# Altium PCB 8-8控制板.PcbDoc (part 3 of 5)
Units mm, origin at the board's own origin, x right, y up, seen from the top; angles counter-clockwise.
Board outline 201.71 x 160.33 mm, 2 copper layers (Top Layer, Bottom Layer); 240 components, 178 nets, 689 pads, 262 vias.
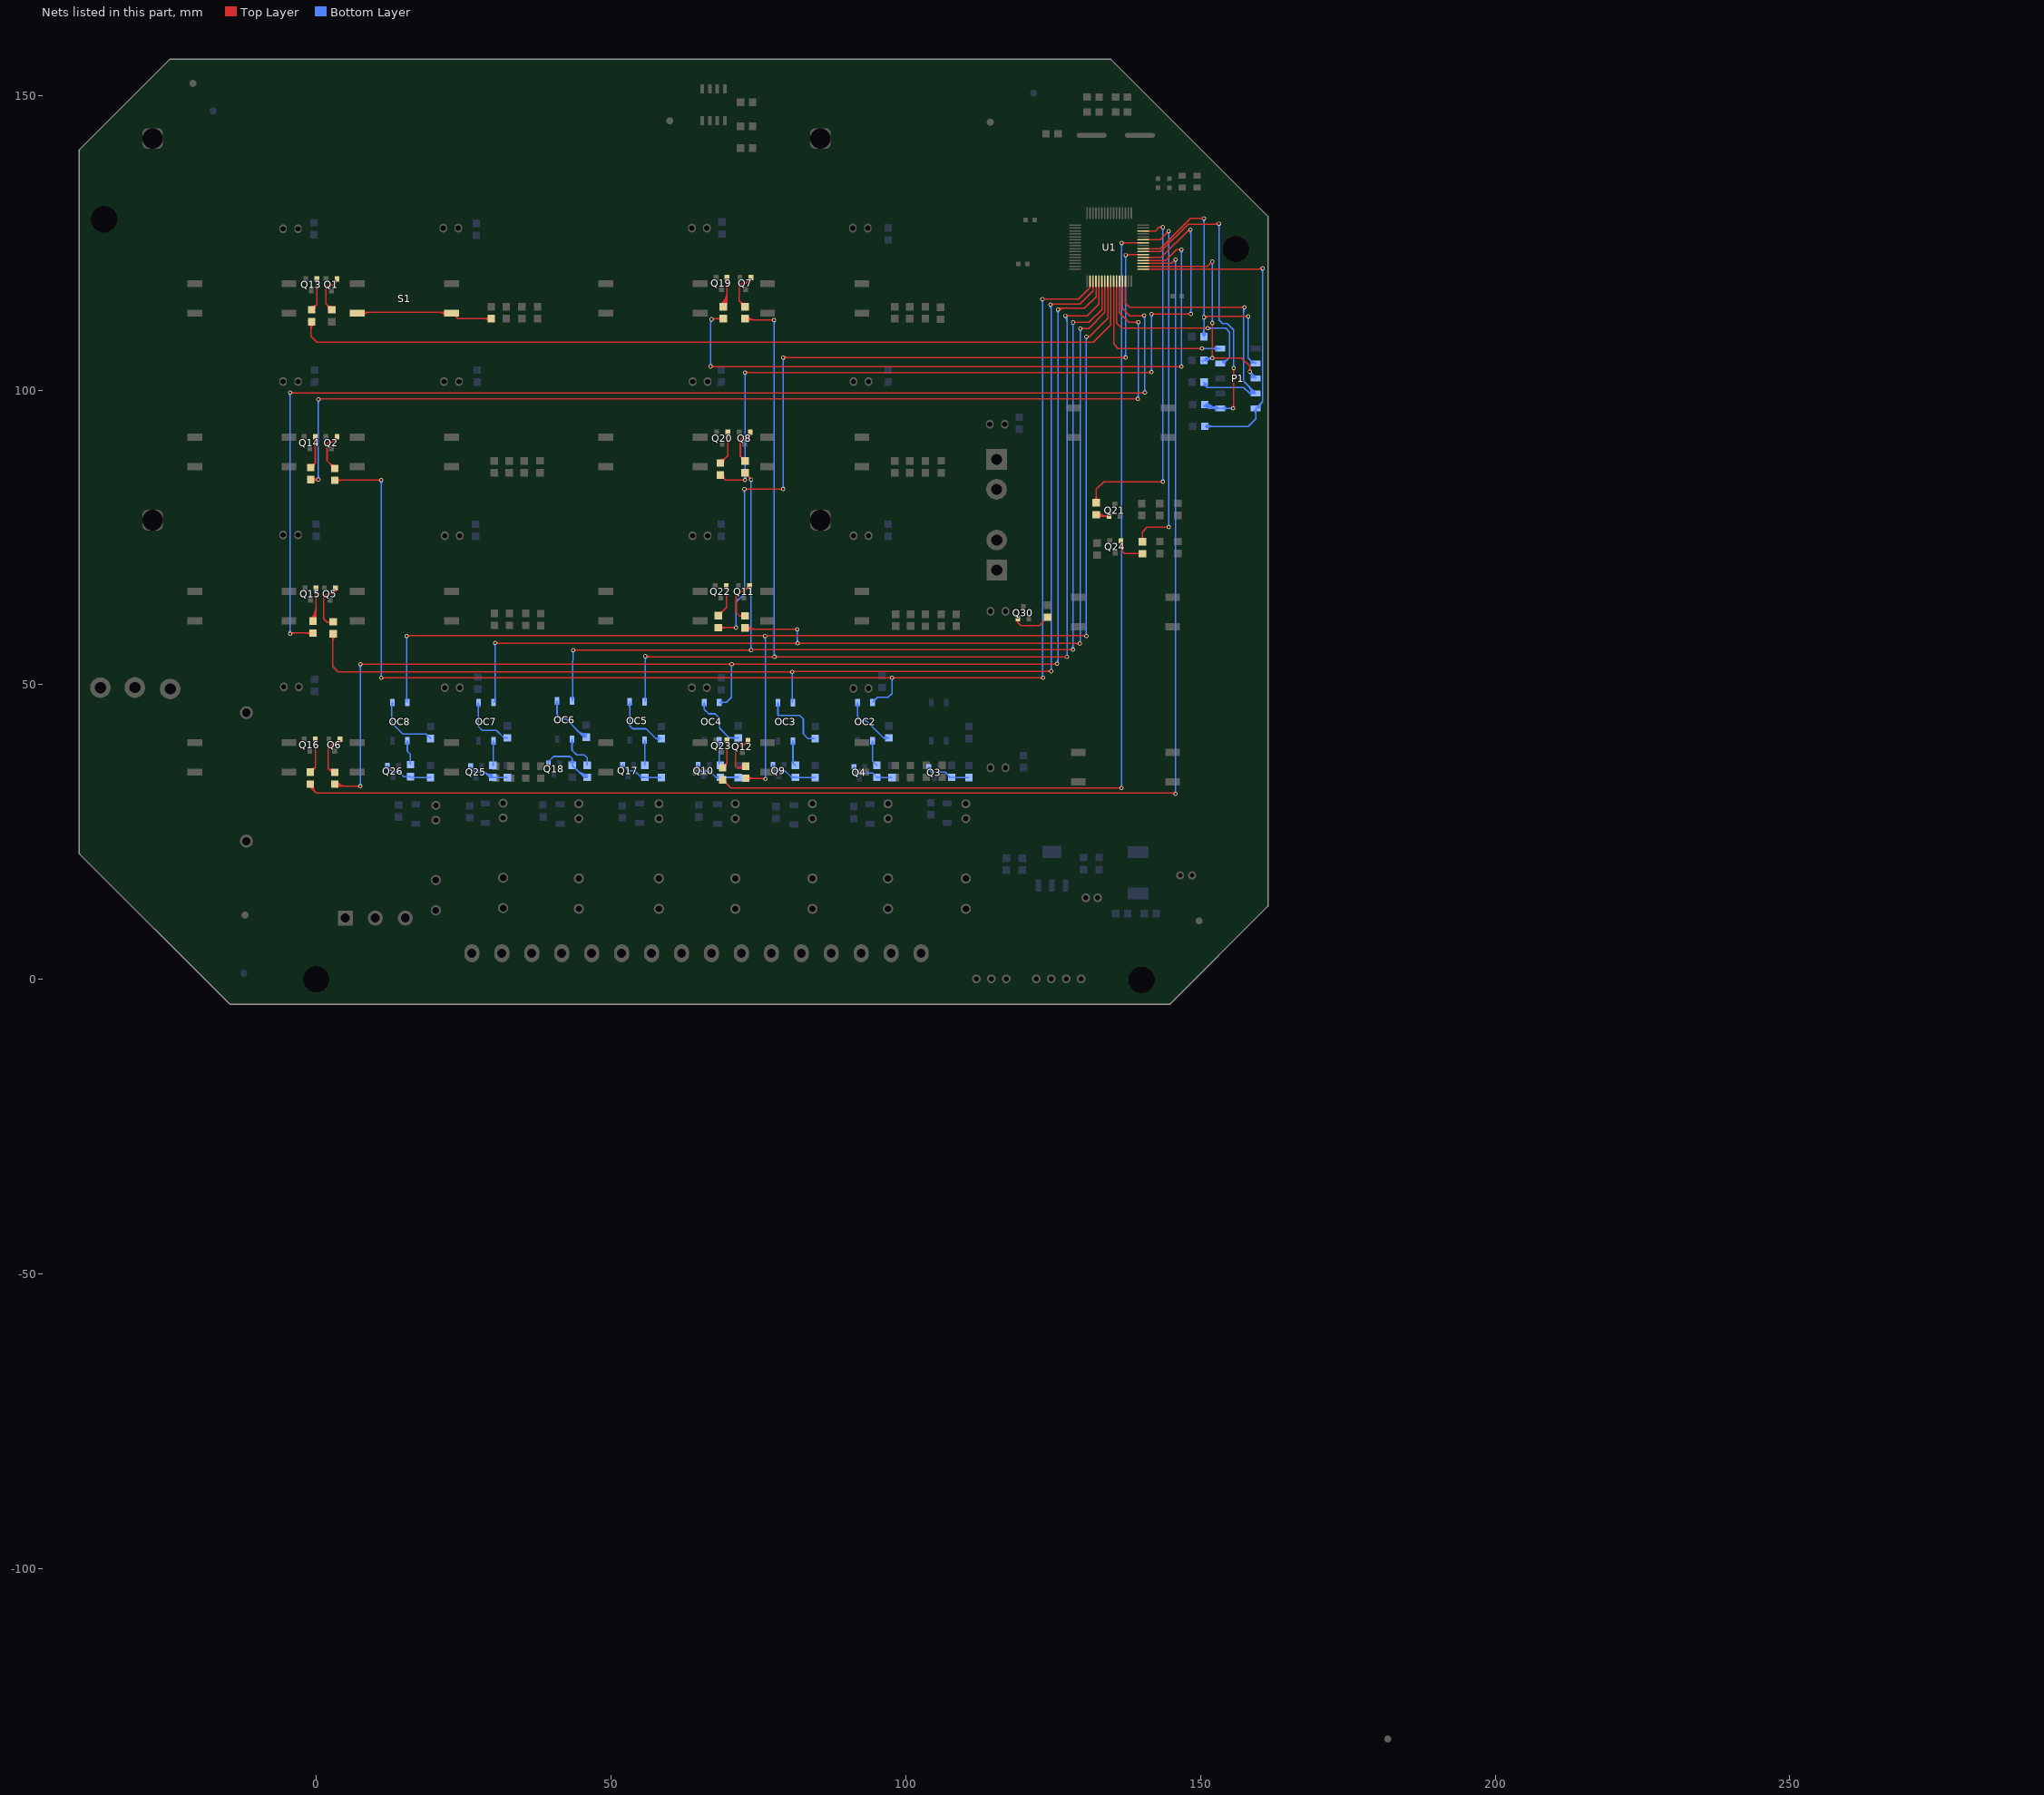
[diagram p3: the nets of this part, all layers, seen from the top]

## Via types
v1: diameter 0.7, hole 0.4, Top Layer to Bottom Layer, 242 vias
v2: diameter 0.7, hole 0.5, Top Layer to Bottom Layer, 18 vias
v3: diameter 1, hole 0.4, Top Layer to Bottom Layer, 2 vias

## Nets (pads, with @x,y where several pads share a name; then routed paths per layer and width w, separated by ;. In a path a pad name is that pad's centre, name@x,y a point inside that pad or via, vN(x,y) a via of type N, cw(c..) or ccw(c..) an arc to the next point about the centre after c; other vN are vias at no path point) (continued)
NetOC2_1: OC2.1 R6.2 | length 11.3
  Bottom Layer w0.254: OC2.1@91.645,46.579 cw(c91.168,46.102) 91.843,46.102 cw(c92.517,46.102) OC2.1@92.04,46.579 ; OC2.1@91.843,47.005 91.843,44.631 92.558,43.917 93.32,43.917 96.241,40.996 ; R6.2@96.692,40.738 ccw(c96.241,40.472) 96.241,40.996 ; R6.2@96.692,41.253 cw(c96.241,41.519) 96.241,40.996 ; R6.2@97.13,40.996 96.241,40.996
NetOC2_2: OC2.2 R4.1 U1.34 | length 245.7
  Top Layer w0.203: R4.1@3.15,84.684 3.175,84.709 v1(11.049,84.709) ; R4.1@3.383,84.45 cw(c4.008,83.825) 4.008,84.709 ; R4.1@3.383,84.917 ccw(c3.885,85.419) 3.885,84.709 ; R4.1@3.527,84.306 cw(c4.499,83.335) 4.499,84.709 ; R4.1@3.527,85.061 ccw(c4.376,85.91) 4.376,84.709 ; v1@10.873,84.533 ccw(c10.449,84.109) 10.449,84.709 ccw(c10.449,85.309) v1@10.873,84.885 ; v1(11.049,51.156) v1(123.292,51.156) ; v1@11.225,50.98 cw(c11.649,50.556) 11.649,51.156 cw(c11.649,51.755) v1@11.225,51.331 ; 97.002,51.156 ccw(c97.002,51.842) v1@97.487,51.357 ; 97.125,51.156 cw(c97.125,50.643) v1@97.487,51.005 ; v1@97.839,51.005 cw(c98.201,50.643) 98.201,51.156 ; v1@97.839,51.357 ccw(c98.324,51.842) 98.324,51.156 ; v1@123.116,50.98 ccw(c122.692,50.556) 122.692,51.156 ccw(c122.692,51.755) v1@123.116,51.331 ; v1@123.19,115.471 129.314,115.471 131.278,117.435 U1.34@131.278,118.473 ; v1@123.366,115.267 cw(c123.856,114.777) 123.856,115.471 ; v1@123.366,115.619 ccw(c123.723,115.976) 123.723,115.471 ; 131.122,117.279 ccw(c130.804,117.598) U1.34@131.254,117.598
  Bottom Layer w0.203: v1@10.873,84.533 cw(c10.449,84.109) 11.049,84.109 cw(c11.649,84.109) v1@11.225,84.533 ; v1(11.049,51.156) v1(11.049,84.709) ; OC2.2@94.383,47.005 95.231,47.854 95.225,47.86 97.028,47.86 97.663,48.495 v1(97.663,51.181) ; v1@123.014,115.267 cw(c122.462,114.715) 123.243,114.715 ; v1(123.19,115.443) 123.243,115.39 123.243,51.204 v1(123.292,51.156) ; 123.243,114.971 cw(c123.662,114.971) v1@123.366,115.267
NetOC2_3: OC2.3 R8.1 | length 5.5
  Bottom Layer w0.254: OC2.3@94.185,40.079 cw(c93.708,39.602) 94.383,39.602 cw(c95.057,39.602) OC2.3@94.58,40.079 ; OC2.3@94.383,40.505 94.383,37.062 R8.1@95.123,36.322
NetOC3_1: OC3.1 R17.2 | length 12.6
  Bottom Layer w0.254: OC3.1@78.136,46.538 cw(c77.659,46.061) 78.334,46.061 cw(c79.008,46.061) OC3.1@78.531,46.538 ; OC3.1@78.334,46.965 78.334,44.806 82.017,44.806 82.652,44.171 82.652,41.631 83.414,40.869 R17.2@84.629,40.869
NetOC3_2: OC3.2 R9.1 U1.35 | length 213.5
  Top Layer w0.203: R9.1@2.518,58.271 cw(c1.853,57.606) 2.794,57.606 cw(c3.938,57.606) R9.1@3.129,58.415 ; 2.794,57.116 cw(c4.429,57.116) R9.1@3.273,58.271 ; R9.1@2.896,58.649 2.794,58.547 2.794,53.086 3.708,52.172 v1(80.747,52.172) 80.874,52.299 v1(124.689,52.299) ; v1@80.571,51.996 ccw(c80.147,51.572) 80.147,52.172 ccw(c80.147,52.771) v1@80.571,52.347 ; v1@80.779,52.14 cw(c81.162,51.756) 81.162,52.299 ; v1@80.922,51.996 cw(c81.653,51.265) 81.653,52.299 ; v1@124.513,52.123 ccw(c124.089,51.699) 124.089,52.299 ccw(c124.089,52.898) v1@124.513,52.474 ; v1(124.562,114.529) 124.615,114.582 129.568,114.582 131.778,116.792 U1.35@131.778,118.473 ; v1@124.737,114.353 cw(c125.289,113.801) 125.289,114.582 ; v1@124.737,114.704 ccw(c125.033,115) 125.033,114.582
  Bottom Layer w0.203: v1(80.747,52.172) 80.747,47.092 OC3.2@80.874,46.965 ; v1@124.386,114.353 cw(c123.655,113.622) 124.689,113.622 ; v1@124.53,114.497 cw(c124.146,114.113) 124.689,114.113 ; v1(124.562,114.529) 124.689,114.402 v1(124.689,52.299)
NetOC3_3: OC3.3 R19.1 | length 5.4
  Bottom Layer w0.254: OC3.3@80.676,40.038 cw(c80.199,39.561) 80.874,39.561 cw(c81.548,39.561) OC3.3@81.071,40.038 ; OC3.3@80.874,40.465 80.874,36.728 R19.1@81.28,36.322
NetOC4_1: OC4.1 R18.2 | length 11
  Bottom Layer w0.254: OC4.1@65.628,46.579 cw(c65.151,46.102) 65.826,46.102 cw(c66.5,46.102) OC4.1@66.023,46.579 ; OC4.1@65.826,47.005 65.826,45.822 66.588,45.06 67.666,45.06 68.428,44.298 68.428,42.647 70.079,40.996 R18.2@71.584,40.996
NetOC4_2: OC4.2 R10.1 U1.36 | length 239.8
  Top Layer w0.203: R10.1@3.096,33.068 ccw(c3.824,33.796) 3.824,32.766 ; R10.1@3.15,33.122 R10.1@3.505,32.766 ; R10.1@3.239,33.211 ccw(c4.315,34.287) 4.315,32.766 ; R10.1@3.383,33.355 ccw(c4.805,34.777) 4.805,32.766 ; R10.1@3.527,33.499 ccw(c5.296,35.268) 5.296,32.766 ; v1@7.317,32.59 ccw(c6.893,32.166) 6.893,32.766 ccw(c6.893,33.366) v1@7.317,32.942 ; v1(7.493,32.766) R10.1@3.556,32.766 ; v1(7.493,53.467) v1(70.485,53.467) 125.552,53.467 125.578,53.442 v1(125.705,53.569) ; v1@7.669,53.291 cw(c8.093,52.867) 8.093,53.467 cw(c8.093,54.067) v1@7.669,53.643 ; v1@70.309,53.291 ccw(c69.885,52.867) 69.885,53.467 ccw(c69.885,54.067) v1@70.309,53.643 ; v1@70.661,53.291 cw(c71.085,52.867) 71.085,53.467 cw(c71.085,54.067) v1@70.661,53.643 ; 124.86,53.467 ccw(c124.86,54.414) v1@125.529,53.744 ; v1@125.529,53.393 ccw(c125.35,53.214) 125.35,53.467 ccw(c125.35,53.923) v1@125.673,53.601 ; v1(125.832,113.64) 126.086,113.894 ; v1@125.864,113.608 cw(c126.554,112.917) 126.554,113.894 ; v1@125.934,113.866 ccw(c125.99,113.989) 126.086,113.894 ; v1@126.007,113.464 cw(c127.044,112.427) 127.044,113.894 ; v1@126.058,113.742 cw(c126.181,113.798) 126.086,113.894 ; U1.36@132.278,118.473 132.278,115.83 130.342,113.894 126.086,113.894 ; R10.1@3.505,32.766 3.531,32.741 R10.1@3.556,32.766 ; R10.1@3.505,32.766 R10.1@3.556,32.766
  Bottom Layer w0.203: v1@7.317,32.942 ccw(c6.893,33.366) 7.493,33.366 ccw(c8.093,33.366) v1@7.669,32.942 ; v1@7.317,53.291 cw(c6.893,52.867) 7.493,52.867 cw(c8.093,52.867) v1@7.669,53.291 ; v1(7.493,32.766) v1(7.493,53.467) ; OC4.2@68.366,47.005 69.611,47.005 70.485,47.879 v1(70.485,53.467) ; OC4.2@68.581,46.789 cw(c69.102,46.269) 69.102,47.005 cw(c69.102,47.741) OC4.2@68.581,47.221 ; v1@125.529,53.744 ccw(c124.798,54.475) 125.832,54.475 ; v1@125.656,113.464 cw(c125.232,113.04) 125.832,113.04 cw(c126.431,113.04) v1@126.007,113.464 ; v1@125.673,53.601 ccw(c125.289,53.984) 125.832,53.984 ; v1(125.705,53.569) 125.832,53.696 v1(125.832,113.64)
NetOC4_3: OC4.3 R20.1 | length 5
  Bottom Layer w0.254: OC4.3@68.168,40.079 cw(c67.691,39.602) 68.366,39.602 cw(c69.04,39.602) OC4.3@68.563,40.079 ; R20.1@68.366,36.536 OC4.3@68.366,40.505
NetOC5_1: OC5.1 R29.2 | length 12.5
  Bottom Layer w0.254: OC5.1@52.99,46.688 cw(c52.513,46.211) 53.188,46.211 cw(c53.862,46.211) OC5.1@53.385,46.688 ; OC5.1@53.188,47.115 53.188,43.028 53.696,42.52 55.982,42.52 57.633,40.869 ; R29.2@58.107,40.603 ccw(c57.633,40.313) 57.633,40.869 ; R29.2@58.107,41.134 cw(c57.633,41.424) 57.633,40.869 ; R29.2@58.54,40.869 57.633,40.869
NetOC5_2: OC5.2 R13.1 U1.37 | length 225.3
  Top Layer w0.203: v1(55.855,54.839) 55.982,54.712 56.109,54.839 56.21,54.737 ; v1@55.887,54.871 ccw(c56.209,55.193) 56.209,54.737 ; v1@56.03,55.014 ccw(c56.7,55.684) 56.7,54.737 ; v1@56.103,54.843 ccw(c56.21,54.844) 56.21,54.737 ; R13.1@72.746,112.116 72.974,111.887 v1(77.699,111.887) ; R13.1@72.835,112.205 ccw(c73.604,112.974) 73.604,111.887 ; R13.1@72.979,112.349 ccw(c74.095,113.465) 74.095,111.887 ; R13.1@73.123,111.738 cw(c73.481,111.38) 73.481,111.887 ; R13.1@73.123,112.493 ccw(c74.585,113.955) 74.585,111.887 ; v1@77.523,111.711 ccw(c77.099,111.287) 77.099,111.887 ccw(c77.099,112.487) v1@77.523,112.063 ; v1@77.548,54.561 ccw(c77.124,54.137) 77.124,54.737 ccw(c77.124,55.337) v1@77.548,54.913 ; v1@77.9,54.561 cw(c78.324,54.137) 78.324,54.737 cw(c78.324,55.337) v1@77.9,54.913 ; 126.695,54.737 cw(c126.695,54.051) v1@127.18,54.536 ; 126.817,54.737 ccw(c126.817,55.25) v1@127.18,54.887 ; v1(127.102,112.624) 130.785,112.624 132.778,114.617 U1.37@132.778,118.473 ; v1@127.277,112.448 cw(c127.701,112.024) 127.701,112.624 cw(c127.701,113.223) v1@127.277,112.799 ; v1(127.356,54.712) 127.229,54.839 127.127,54.737 v1(77.724,54.737) 56.21,54.737 ; 56.209,54.737 ccw(c56.209,54.484) 56.03,54.663 cw(c56.209,54.484) 56.209,54.737
  Bottom Layer w0.203: v1@55.679,54.663 cw(c55.255,54.239) 55.855,54.239 cw(c56.454,54.239) v1@56.03,54.663 ; OC5.2@55.728,47.115 55.855,47.242 v1(55.855,54.839) ; v1@77.523,111.711 cw(c77.099,111.287) 77.699,111.287 cw(c78.298,111.287) v1@77.874,111.711 ; v1@77.548,54.913 ccw(c77.186,55.275) 77.699,55.275 ; 77.699,55.398 ccw(c78.385,55.398) v1@77.9,54.913 ; v1(77.699,111.887) 77.699,54.762 v1(77.724,54.737) ; v1@126.926,112.448 cw(c125.889,111.411) 127.356,111.411 ; v1@127.07,112.592 cw(c126.379,111.901) 127.356,111.901 ; v1(127.102,112.624) 127.356,112.37 v1(127.356,54.712)
NetOC5_3: OC5.3 R33.1 | length 5.4
  Bottom Layer w0.254: OC5.3@55.53,40.188 cw(c54.992,39.65) 55.753,39.65 ; OC5.3@55.728,40.615 55.753,40.589 R33.1@55.753,36.322 ; 55.753,39.773 cw(c56.341,39.773) OC5.3@55.925,40.188
NetOC6_1: OC6.1 R30.2 | length 13.7
  Bottom Layer w0.254: OC6.1@40.671,46.815 cw(c40.194,46.338) 40.869,46.338 cw(c41.543,46.338) OC6.1@41.066,46.815 ; OC6.1@40.869,47.242 40.869,44.958 41.656,44.171 42.393,44.171 45.441,41.123 R30.2@45.822,41.123 cw(c45.822,42.042) 45.171,41.392 ; 44.304,42.259 ccw(c45.822,43.777) R30.2@45.822,41.631 ; 44.738,41.826 ccw(c45.822,42.91) R30.2@45.822,41.377 ; R30.2@45.224,41.339 cw(c45.007,41.123) R30.2@45.314,41.123
NetOC6_2: OC6.2 R14.1 U1.38 | length 202.6
  Top Layer w0.203: v1(43.561,55.88) 43.586,55.855 73.762,55.855 v1(73.787,55.88) 73.889,55.982 v1(128.372,55.982) ; v1@43.737,55.704 cw(c44.099,55.342) 44.099,55.855 ; v1@43.737,56.056 ccw(c44.222,56.541) 44.222,55.855 ; R14.1@72.746,85.954 73.787,84.912 v1(73.787,84.836) ; 73.126,55.855 ccw(c73.126,56.541) v1@73.611,56.056 ; 73.249,55.855 cw(c73.249,55.342) v1@73.611,55.704 ; R14.1@73.309,85.39 cw(c72.755,84.836) v1@73.539,84.836 ; 73.493,85.206 ccw(c73.787,85.5) v1@73.787,85.084 ; v1@73.819,55.848 cw(c74.141,55.526) 74.141,55.982 cw(c74.141,56.234) v1@73.963,56.056 ; v1@73.963,55.704 cw(c74.632,55.035) 74.632,55.982 ; v1@128.196,55.806 ccw(c127.772,55.382) 127.772,55.982 ccw(c127.772,56.581) v1@128.196,56.157 ; v1(128.372,111.481) 131.072,111.481 133.278,113.687 U1.38@133.278,118.473 ; v1@128.547,111.305 cw(c128.971,110.881) 128.971,111.481 cw(c128.971,112.08) v1@128.547,111.656
  Bottom Layer w0.203: OC6.2@43.193,47.686 ccw(c42.366,48.513) 43.536,48.513 ; OC6.2@43.337,47.542 ccw(c42.857,48.022) 43.536,48.022 ; v1@43.385,55.704 cw(c42.961,55.28) 43.561,55.28 cw(c44.161,55.28) v1@43.737,55.704 ; OC6.2@43.409,47.242 43.536,47.369 43.536,54.102 43.561,54.127 v1(43.561,55.88) ; 43.536,47.899 ccw(c43.838,47.899) OC6.2@43.624,47.686 ; v1@73.611,56.056 ccw(c73.187,56.48) 73.787,56.48 ccw(c74.387,56.48) v1@73.963,56.056 ; v1@73.611,84.66 cw(c73.187,84.236) 73.787,84.236 cw(c74.387,84.236) v1@73.963,84.66 ; v1(73.787,55.88) v1(73.787,84.836) ; v1@128.196,56.157 ccw(c127.772,56.581) 128.372,56.581 ccw(c128.971,56.581) v1@128.547,56.157 ; v1@128.196,111.305 cw(c127.772,110.881) 128.372,110.881 cw(c128.971,110.881) v1@128.547,111.305 ; v1(128.372,55.982) v1(128.372,111.481)
NetOC6_3: OC6.3 R34.1 | length 7.3
  Bottom Layer w0.254: OC6.3@43.211,40.315 cw(c42.734,39.838) 43.409,39.838 cw(c44.083,39.838) OC6.3@43.606,40.315 ; OC6.3@43.409,40.742 43.409,38.887 44.196,38.1 45.466,38.1 45.974,37.592 R34.1@45.974,36.322
NetOC7_1: OC7.1 R45.2 | length 10.9
  Bottom Layer w0.254: OC7.1@27.336,46.579 cw(c26.859,46.102) 27.534,46.102 cw(c28.208,46.102) OC7.1@27.731,46.579 ; OC7.1@27.534,47.005 27.534,42.901 28.169,42.266 30.582,42.266 31.852,40.996 R45.2@32.45,40.996
NetOC7_2: OC7.2 R21.1 U1.39 | length 199.8
  Top Layer w0.203: v1(30.328,57.125) 30.455,56.998 v1@129.261,56.998 ; v1@30.36,57.157 ccw(c30.743,57.54) 30.743,56.998 ; v1@30.503,57.3 ccw(c31.234,58.031) 31.234,56.998 ; R21.1@72.746,59.665 73,59.411 v1(81.636,59.411) ; R21.1@72.835,59.754 ccw(c73.665,60.584) 73.665,59.411 ; R21.1@72.979,59.898 ccw(c74.156,61.075) 74.156,59.411 ; R21.1@73.123,59.287 cw(c73.42,58.99) 73.42,59.411 ; R21.1@73.123,60.042 ccw(c74.647,61.566) 74.647,59.411 ; 81,56.998 ccw(c81,57.684) v1@81.485,57.199 ; 81.123,56.998 cw(c81.123,56.485) v1@81.485,56.847 ; v1@81.46,59.235 ccw(c81.036,58.811) 81.036,59.411 ccw(c81.036,60.01) v1@81.46,59.586 ; v1@81.837,56.847 cw(c82.199,56.485) 82.199,56.998 ; v1@81.837,57.199 ccw(c82.322,57.684) 82.322,56.998 ; v1@129.339,56.822 ccw(c128.915,56.398) 128.915,56.998 ccw(c128.915,57.597) v1@129.339,57.173 ; v1(129.642,110.465) 131.056,110.465 133.778,113.187 U1.39@133.778,118.473 ; v1@129.817,110.289 cw(c130.241,109.865) 130.241,110.465 cw(c130.241,111.064) v1@129.817,110.64
  Bottom Layer w0.203: OC7.2@30.074,47.005 30.328,47.259 v1(30.328,57.125) ; v1@30.152,56.949 cw(c29.728,56.525) 30.328,56.525 cw(c30.927,56.525) v1@30.503,56.949 ; v1@81.46,59.235 cw(c81.036,58.811) 81.636,58.811 cw(c82.235,58.811) v1@81.811,59.235 ; v1@81.485,57.199 ccw(c81.123,57.561) 81.636,57.561 ; 81.636,57.684 ccw(c82.322,57.684) v1@81.837,57.199 ; v1(81.636,59.411) 81.636,57.048 v1(81.661,57.023) ; v1@129.339,57.173 ccw(c128.608,57.904) 129.642,57.904 ; v1@129.466,110.289 cw(c129.042,109.865) 129.642,109.865 cw(c130.241,109.865) v1@129.817,110.289 ; v1@129.483,57.03 ccw(c129.099,57.413) 129.642,57.413 ; v1@129.511,57.246 ccw(c129.509,57.379) 129.642,57.379 ; v1@129.515,57.252 129.642,57.379 ; v1(129.642,110.465) 129.642,57.379
  other v1: 129.515,56.998
NetOC7_3: OC7.3 R48.1 | length 5.3
  Bottom Layer w0.254: OC7.3@29.876,40.079 cw(c29.399,39.602) 30.074,39.602 cw(c30.748,39.602) OC7.3@30.271,40.079 ; R48.1@29.972,36.322 30.074,36.424 OC7.3@30.074,40.505
NetOC8_1: OC8.1 R46.2 | length 11.2
  Bottom Layer w0.254: OC8.1@12.929,47.005 12.929,46.584 12.802,46.457 12.802,43.536 14.707,41.631 18.644,41.631 R46.2@19.406,40.869
NetOC8_2: OC8.2 R22.1 U1.40 | length 228.3
  Top Layer w0.203: v1(15.342,58.268) 15.395,58.321 v1@76.122,58.321 ; v1@15.517,58.092 cw(c16.069,57.54) 16.069,58.321 ; v1@15.517,58.443 ccw(c15.813,58.739) 15.813,58.321 ; R22.1@72.873,34.138 76.098,34.138 v1(76.2,34.036) ; R22.1@73.106,33.904 cw(c73.67,33.34) 73.67,34.138 cw(c73.67,34.935) R22.1@73.106,34.371 ; R22.1@73.25,33.76 cw(c74.16,32.85) 74.16,34.138 cw(c74.16,35.425) R22.1@73.25,34.515 ; 75.355,34.138 cw(c75.355,33.191) v1@76.024,33.86 ; 75.447,58.321 cw(c75.447,57.54) v1@75.999,58.092 ; 75.703,58.321 ccw(c75.703,58.739) v1@75.999,58.443 ; v1@76.024,34.212 cw(c75.846,34.39) 75.846,34.138 cw(c75.846,33.682) v1@76.168,34.004 ; v1(76.175,58.268) v1@76.122,58.321 ; v1@76.35,58.092 cw(c76.902,57.54) 76.902,58.321 ; v1@76.35,58.443 ccw(c76.646,58.739) 76.646,58.321 ; 129.93,58.321 cw(c129.93,57.54) v1@130.482,58.092 ; 130.186,58.321 ccw(c130.186,58.739) v1@130.482,58.443 ; v1(130.658,58.268) 130.605,58.321 v1@76.122,58.321 ; v1(130.658,109.068) 131.166,109.068 ; v1@130.854,108.915 cw(c131.166,108.672) 131.166,109.068 ; v1@130.854,109.22 ccw(c131.166,109.463) 131.166,109.068 ; U1.40@134.278,118.473 134.278,112.18 131.166,109.068
  Bottom Layer w0.203: v1@15.166,58.092 cw(c14.742,57.668) 15.342,57.668 cw(c15.941,57.668) v1@15.517,58.092 ; v1(15.342,58.268) 15.342,47.132 OC8.2@15.469,47.005 ; v1@75.999,58.092 cw(c75.514,57.607) 76.2,57.607 ; v1(76.175,58.268) 76.2,58.242 v1(76.2,34.036) ; 76.2,57.729 cw(c76.713,57.729) v1@76.35,58.092 ; v1@130.482,108.892 cw(c130.058,108.468) 130.658,108.468 cw(c131.257,108.468) v1@130.833,108.892 ; v1(130.658,58.268) v1(130.658,109.068)
NetOC8_3: OC8.3 R49.1 | length 5.3
  Bottom Layer w0.254: OC8.3@15.271,40.079 cw(c14.794,39.602) 15.469,39.602 cw(c16.143,39.602) OC8.3@15.666,40.079 ; OC8.3@15.469,40.505 15.469,38.71 15.951,38.227 R49.1@15.951,36.5
NetP1_2: P1.2 R92.1 U1.56 | length 61.1
  Top Layer w0.203: U1.56@140.303,123.998 143.17,123.998 148.306,129.134 v1(150.597,129.134) ; v1@150.421,128.958 ccw(c149.997,128.534) 149.997,129.134 ccw(c149.997,129.733) v1@150.421,129.309 ; v1(150.597,112.37) 150.749,112.522 v1(158.115,112.522) ; v1@150.629,112.338 cw(c151.074,111.893) 151.074,112.522 ; v1@150.772,112.194 cw(c151.564,111.402) 151.564,112.522 ; v1@157.939,112.346 ccw(c157.515,111.922) 157.515,112.522 ccw(c157.515,113.122) v1@157.939,112.698
  Bottom Layer w0.203: R92.1@150.219,109.445 ccw(c149.309,110.355) 150.597,110.355 ccw(c151.884,110.355) R92.1@150.974,109.445 ; R92.1@150.363,109.301 ccw(c149.799,109.865) 150.597,109.865 ccw(c151.394,109.865) R92.1@150.83,109.301 ; v1@150.421,112.194 cw(c149.997,111.77) 150.597,111.77 cw(c151.196,111.77) v1@150.772,112.194 ; v1@150.421,112.545 ccw(c149.997,112.969) 150.597,112.969 ccw(c151.196,112.969) v1@150.772,112.545 ; v1@150.421,128.958 cw(c149.997,128.534) 150.597,128.534 cw(c151.196,128.534) v1@150.772,128.958 ; R92.1@150.597,109.068 v1(150.597,112.37) v1(150.597,129.134) ; v1@157.939,112.346 cw(c157.515,111.922) 158.115,111.922 cw(c158.715,111.922) v1@158.291,112.346 ; v1(158.115,112.522) 158.115,105.41 158.877,104.648 159.258,104.648 P1.2@159.385,104.521 ; 158.302,105.223 ccw(c159.035,105.956) P1.2@159.035,104.919 ; 158.377,105.148 cw(c157.75,104.521) P1.2@158.637,104.521 ; P1.2@158.649,104.876 ccw(c159.035,105.262) P1.2@159.035,104.716
NetP1_3: P1.3 R91.1 U1.50 | length 57.4
  Top Layer w0.203: U1.50@140.303,120.998 151.257,120.998 151.257,121.031 v1(152.019,121.793) ; v1@151.771,121.793 cw(c151.171,121.793) 151.595,121.369 cw(c152.019,120.945) v1@152.019,121.545 ; v1@151.843,105.586 ccw(c151.419,106.01) 152.019,106.01 ccw(c152.619,106.01) 152.195,105.586 ccw(c152.619,106.01) 152.619,105.41 ccw(c152.619,104.81) v1@152.195,105.234 ; v1@151.843,111.203 cw(c151.419,110.779) 152.019,110.779 cw(c152.619,110.779) v1@152.195,111.203 ; v1(152.019,111.379) v1(152.019,105.41) 156.972,105.41 158.369,104.013 v1(158.369,103.124) ; v1@158.193,103.3 ccw(c157.769,103.724) 158.369,103.724 ccw(c158.969,103.724) v1@158.545,103.3
  Bottom Layer w0.203: R91.1@150.216,105.035 150.501,104.75 R91.1@150.495,104.743 ; R91.1@150.597,105.035 150.971,105.41 v1(152.019,105.41) ccw(c152.019,104.375) R91.1@151.08,104.811 ; R91.1@150.712,104.982 cw(c151.382,104.671) 151.382,105.41 ; R91.1@150.896,104.896 cw(c151.701,104.523) v1@151.701,105.41 ; 151.395,105.328 cw(c151.526,104.84) v1@151.856,105.222 ; 151.611,105.386 ccw(c151.528,105.693) v1@151.804,105.534 ; v1@151.794,105.516 cw(c151.384,105.709) 151.502,105.271 cw(c151.619,104.834) v1@151.877,105.206 ; v1@151.843,105.234 ccw(c151.419,104.81) 151.419,105.41 ccw(c151.419,106.01) v1@151.843,105.586 ; v1@151.843,111.555 ccw(c151.419,111.979) 152.019,111.979 ccw(c152.619,111.979) v1@152.195,111.555 ; v1@151.843,121.617 cw(c151.419,121.193) 152.019,121.193 cw(c152.619,121.193) v1@152.195,121.617 ; v1(152.019,111.379) v1(152.019,121.793) ; v1@158.305,102.884 cw(c158.069,102.003) P1.3@158.858,102.459 ; v1@158.317,102.881 cw(c158.21,102.386) 158.649,102.639 cw(c159.088,102.893) v1@158.605,103.048 ; v1@158.369,102.876 cw(c158.369,102.276) 158.793,102.7 cw(c159.217,103.124) v1@158.617,103.124 ; v1@158.609,103.06 ccw(c158.887,102.985) 158.638,102.842 ; 158.619,102.874 cw(c157.999,102.255) P1.3@158.846,102.031 ; P1.3@158.65,102.083 ccw(c157.604,102.359) v1(158.369,103.124) 159.385,102.108 P1.3@159.385,101.981 ; 158.869,102.624 cw(c158.395,102.15) P1.3@159.043,101.979
NetP1_4: P1.4 R90.1 U1.46 | length 57.1
  Top Layer w0.203: U1.46@137.278,118.473 137.278,114.767 138.024,114.021 138.049,114.046 v1(157.48,114.046) ; v1@157.304,113.87 ccw(c156.88,113.446) 156.88,114.046 ccw(c156.88,114.646) v1@157.304,114.222
  Bottom Layer w0.203: R90.1@150.622,100.813 cw(c150.622,100.445) 150.882,100.705 ; R90.1@150.622,101.346 150.622,100.965 151.13,100.457 ; R90.1@150.898,101.165 ccw(c151.253,100.933) 150.953,100.634 ; R90.1@151.068,101.054 ccw(c151.466,100.793) 151.13,100.457 ; 157.353,113.14 cw(c158.386,113.14) v1@157.656,113.87 ; 157.353,113.63 cw(c157.896,113.63) v1@157.512,114.014 ; v1(157.48,114.046) 157.353,113.919 157.353,101.473 P1.4@159.385,99.441 158.369,99.441 ; 158.107,100.719 cw(c156.83,99.441) P1.4@158.637,99.441 ; 158.454,100.372 cw(c157.524,99.441) P1.4@158.84,99.441 ; P1.4@158.684,99.253 ccw(c158.369,99.084) 158.369,99.441 ; P1.4@158.684,99.629 cw(c158.369,99.798) 158.369,99.441 ; 158.801,100.025 cw(c158.217,99.441) P1.4@159.043,99.441 ; 151.13,100.457 157.353,100.457 158.369,99.441